# Altium PCB BA-77GHz-Radar_Frontend.PcbDoc (part 4 of 4)
Units mm, origin at the board's own origin, x right, y up, seen from the top; angles counter-clockwise.
Board outline 160 x 110 mm, 6 copper layers (Top Copper, Signal Layer 1, Signal Layer 2, Signal Layer 3, Signal Layer 4, Bot Copper), stack 1.67 mm thick; 271 components, 238 nets, 1207 pads, 1481 vias.
Unrouted connection lines stored in the file: 391.
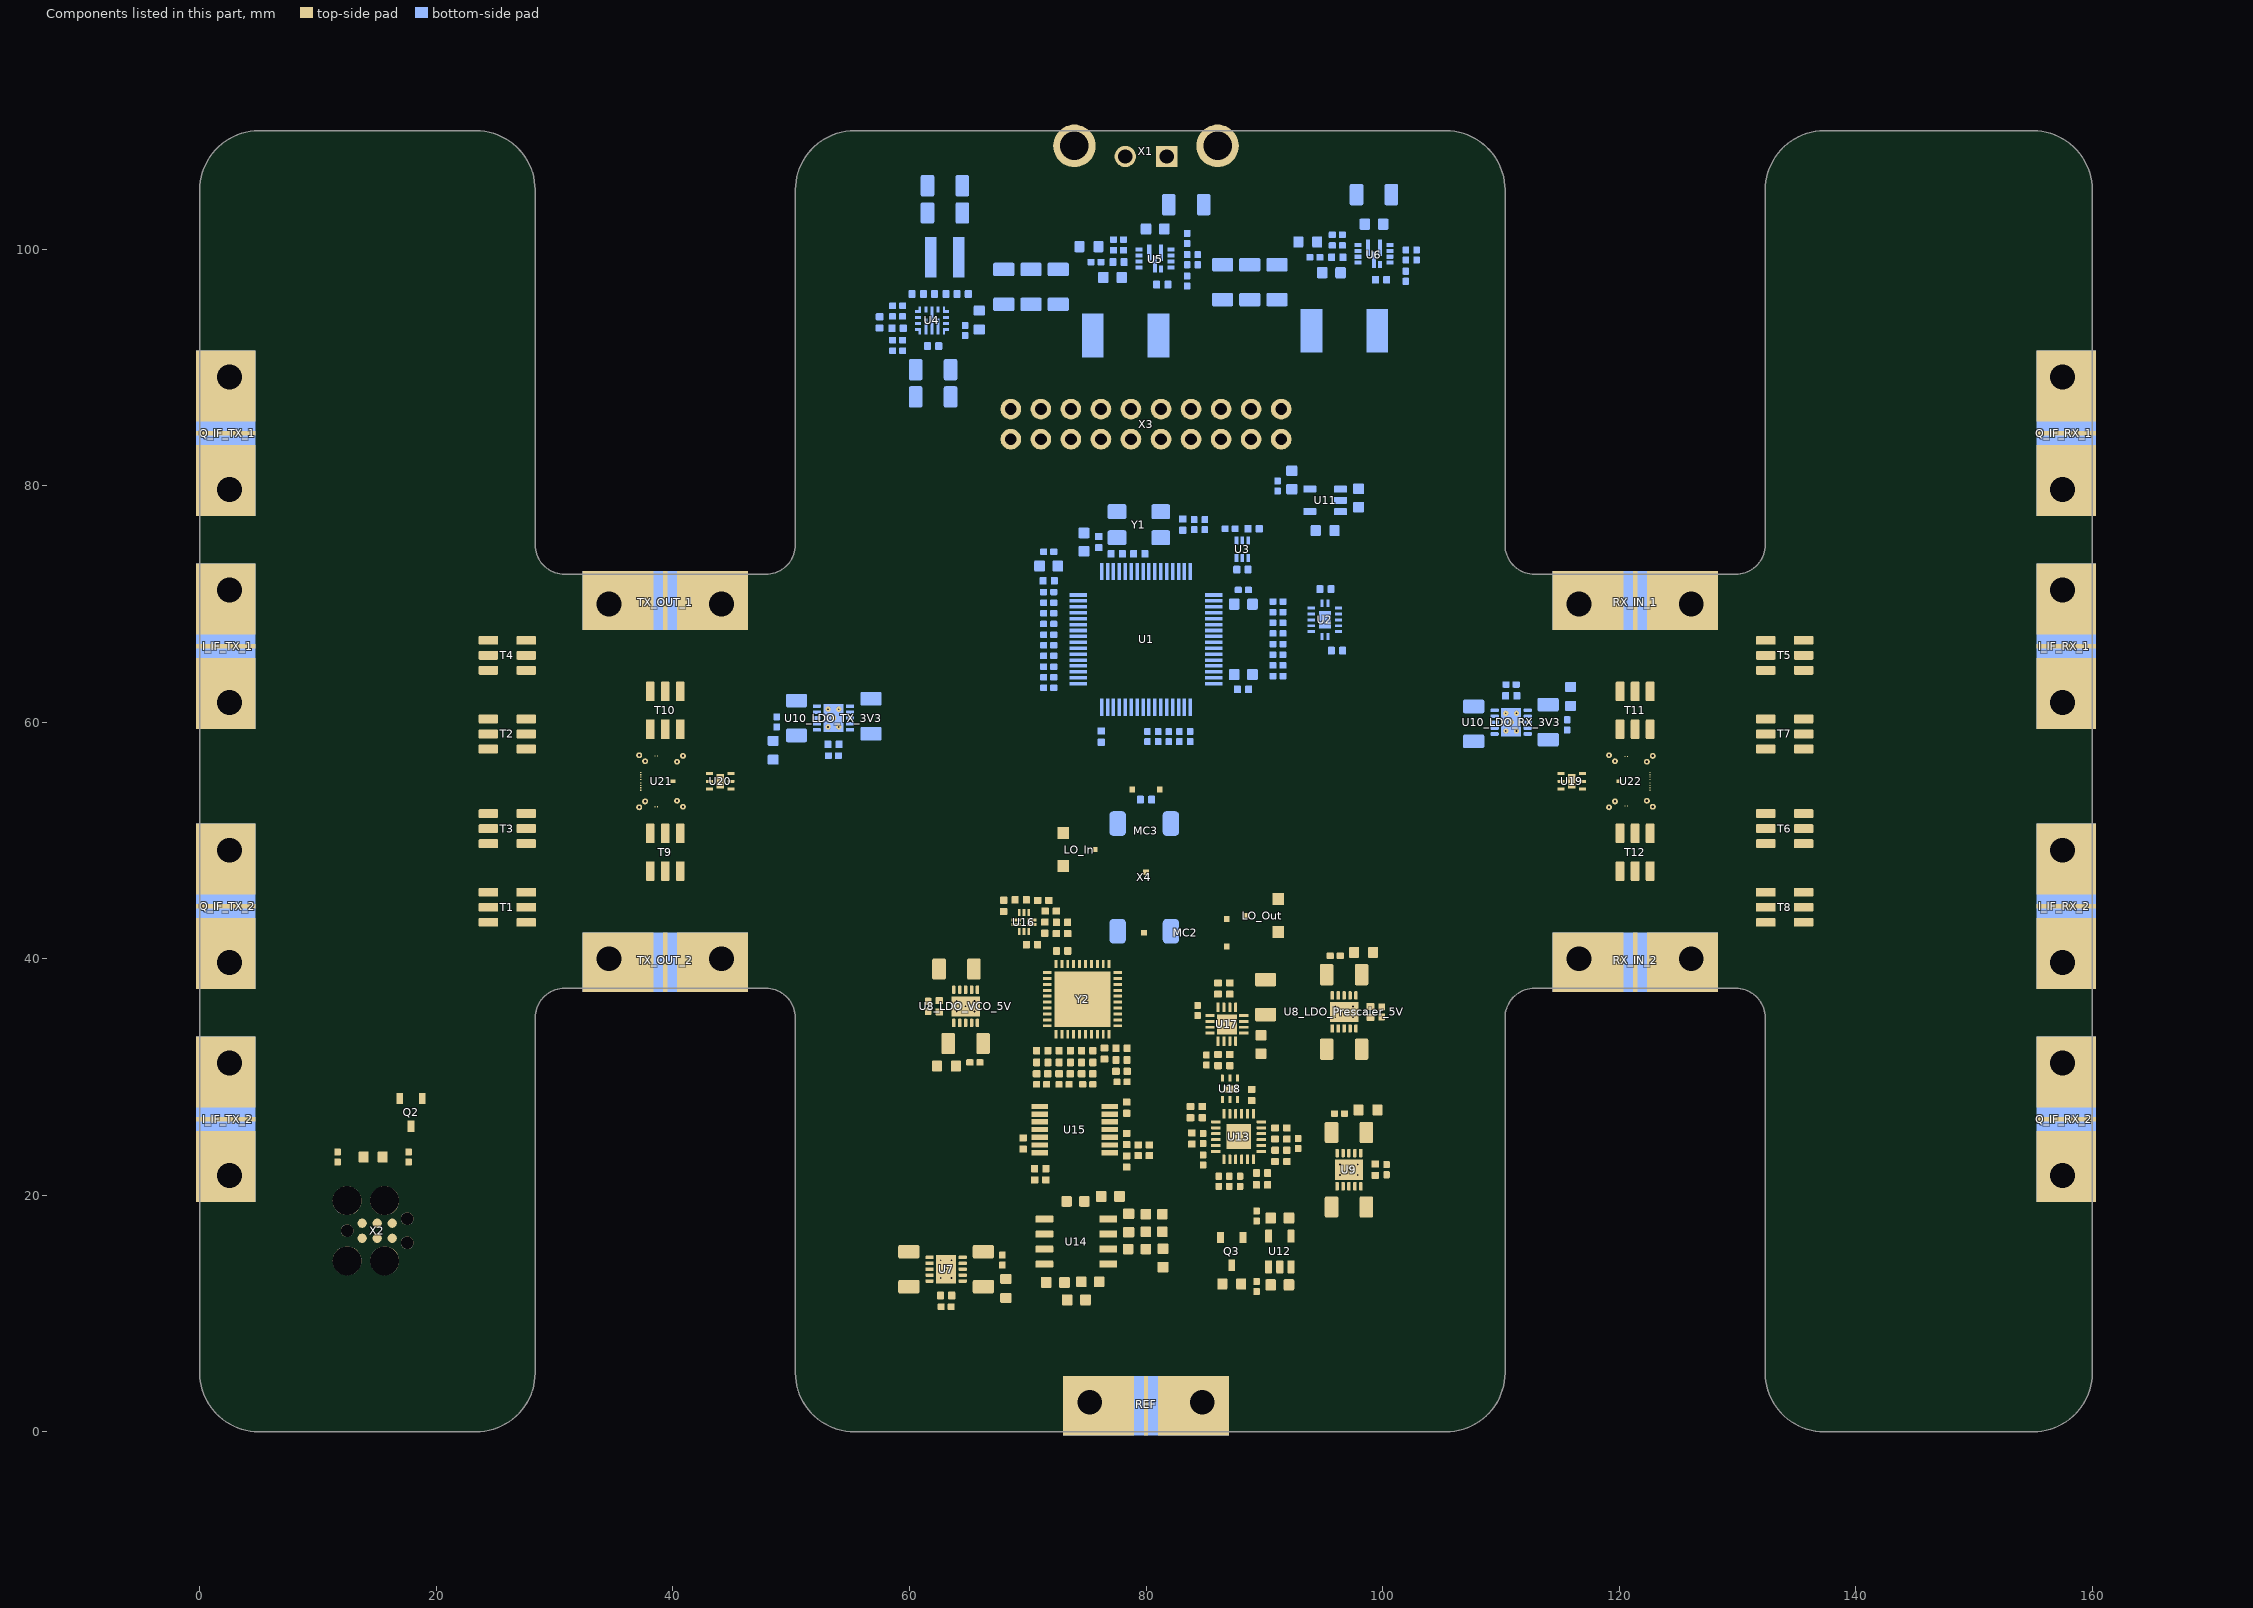
[diagram p6: the components of this part, seen from the top]

## Polygon pours and split planes (outlines as drawn) (continued)
GND on Top Copper "GND_L01_P029" (solid, pour order 29): 89.26,28.699 89.26,30.2 87.99,30.2 87.643,30.2 87.625,30.182 87.625,29.3 86.566,29.3 86.566,30.191 86.557,30.2 86.325,30.2 86.325,27.831 86.347,27.809 86.566,27.809 86.566,28.431 86.834,28.7 87.367,28.7 87.625,28.442 87.625,27.831 88.111,27.831 88.935,28.655 89.216,28.655
+15V_OPV on Top Copper "+15V_OPV_L01_P027" (solid, pour order 27): 68.069,14.648 72.172,14.648 72.172,16.083 70.272,16.083 65.363,16.083 65.363,16.054 64.162,14.854 64.162,14.098 66.528,14.098 67.078,14.648 67.656,14.648
GND on Top Copper "GND_L01_P026" (solid, pour order 26): 75.26,39.206 77.01,39.206 77.26,38.956 77.26,34.206 77.01,33.956 76.76,33.956 76.76,33.256 78.735,33.256 78.735,40.598 78.75,40.613 78.71,40.653 75.26,40.653 75.26,39.906
GND on Top Copper "GND_L01_P024" (solid, pour order 24): 70.457,32.915 70.7,33.158 70.7,39.799 70.7,41.418 71.21,41.928 71.741,41.928 71.785,41.884 71.785,41.403 72.232,40.956 72.713,40.956 72.713,40.425 73.01,40.128 73.01,39.206 72.26,39.206 72.01,38.956 72.01,34.206 72.26,33.956 72.51,33.956 72.51,33.256 71.739,33.256 71.057,32.574 71.057,31.98 70.982,31.905 70.532,31.905 70.457,31.98

## Silkscreen, mask and mechanical layers (free items; w line width, h text height)
Bottom 3D Body:
  lines w0.013: 65.8,110 72.8,110
Board:
  the board outline again, w0.1